# KiCad board AFS-K5171.kicad_pcb (continued)
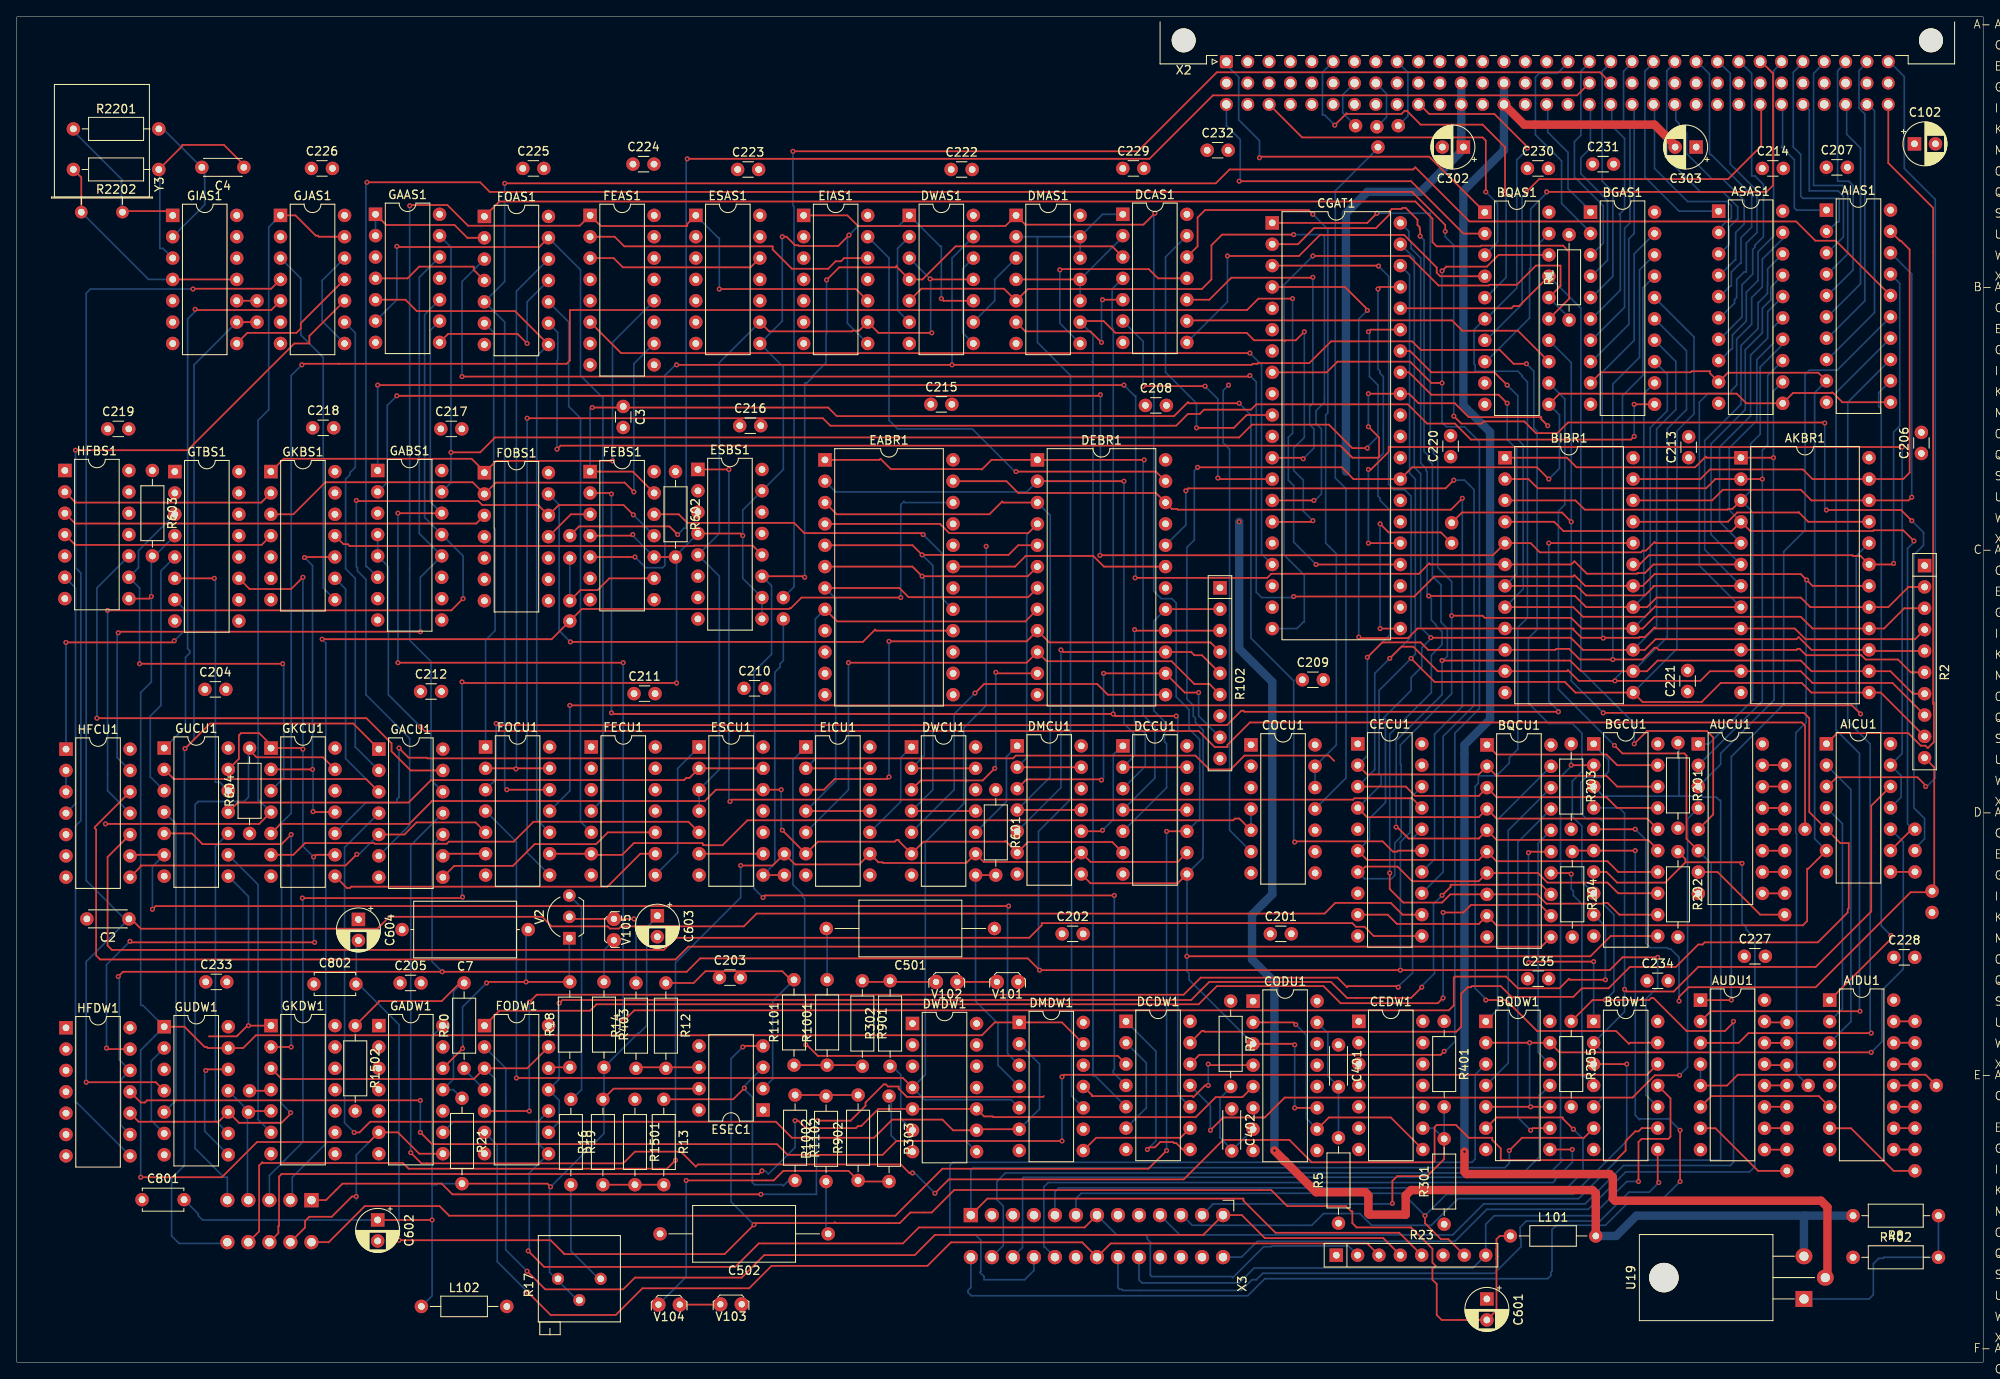
[diagram p0: board, top side]
## Routing (per net, layer and track width the routed paths; a pad name or vN(x,y) marks a point on that pad's centre or on a via; arc(x,y) is an arc through that point) (continued)
/Seite 2/1.02: length 220.1
  Top w0.2: CECU1.2 160.62,69.92 173.92,69.92 BQCU1.2 176.03,69.75 189.1,69.75 190.38,68.48 BGCU1.18 ; v1(160.66,83.85) 162.43,85.63 167,85.63 167.89,84.74 BIBR1.10 183.01,84.74 183.13,84.87 184.66,84.87 185.93,83.6 v1(189.87,83.6) 193.42,83.6 194.82,84.99 195.07,84.99 195.33,84.74 AKBR1.10 211.71,84.74 211.84,84.87 212.09,84.87 212.85,84.1 219.42,84.1 219.93,83.6 223.77,83.6 225.3,82.07 R2.6 ; CGAT1.37 162.17,127.91 v1(161.93,127.67)
  Bottom w0.2: CECU1.2 160.66,72.15 v1(160.66,83.85) 163.32,86.52 163.32,101.38 162.18,102.52 162.18,102.77 161.93,103.03 161.93,107.47 162.56,108.11 162.56,117.25 162.18,117.63 162.18,117.89 161.93,118.14 v1(161.93,127.67) 162.05,127.79 ; BGAS1.18 193.04,129.95 193.04,119.54 189.87,116.36 v1(189.87,83.6) 189.74,83.47
/Seite 2/1.03: length 236
  Top w0.2: CGAT1.3 161.93,130.45 v1(161.99,130.4) ; R2.8 223.13,80.8 213.61,80.8 212.22,82.2 AKBR1.11 201.42,82.2 200.28,81.06 v1(190.12,81.06) 185.8,81.06 184.53,82.33 184.4,82.2 BIBR1.11 169.04,82.2 166.12,85.12 164.72,85.12 v1(163.32,83.72) ; CECU1.3 165.23,68.48 166.33,67.38 173.92,67.38 BQCU1.3 176.03,67.21 189.1,67.21 190.38,65.94 BGCU1.17
  Bottom w0.2: CECU1.3 161.54,70.5 161.54,81.95 v1(163.32,83.72) 165.86,86.26 165.86,103.03 165.1,103.79 163.83,103.79 163.19,104.42 163.19,129.19 v1(161.99,130.4) 161.93,130.46 ; BGAS1.17 193.44,127.81 193.44,117.4 191.01,114.97 191.01,82.2 189.87,81.06
/Seite 2/1.04: length 224.7
  Top w0.2: CECU1.4 160.62,64.84 173.92,64.84 BQCU1.4 176.03,64.67 193.93,64.67 BGCU1.16 ; R2.9 221.74,79.66 AKBR1.13 213.49,79.66 212.34,80.8 202.69,80.8 200.43,78.54 193.4,78.54 BIBR1.13 185.42,79.66 184.15,80.93 168.66,80.93 v1(165.86,83.72) 165.74,83.72
  Bottom w0.2: CECU1.4 162.31,68.72 162.31,69.75 162.05,70.01 162.05,79.91 166.37,84.23 166.37,105.06 165.69,105.74 165.69,129.35 CGAT1.38 ; BIBR1.13 197.49,84.87 197.49,110.77 199.52,112.81 199.52,121.97 BGAS1.16
/Seite 2/1.05: length 235.5
  Top w0.2: CGAT1.2 152.39,132.99 154.31,134.9 161.67,134.9 163.32,136.56 163.32,136.94 163.58,137.19 164.72,137.19 164.85,137.32 165.23,137.32 166.62,135.92 166.62,135.29 166.88,135.03 166.88,134.8 166.94,134.74 v1(166.94,133.95) ; v1(169.55,83.47) 184.79,83.47 186.06,82.2 BIBR1.14 193.93,82.2 195.2,83.47 212.22,83.47 213.49,82.2 AKBR1.14 222.88,82.2 225.56,79.53 R2.7 ; 164.21,63.66 165.57,62.3 173.92,62.3 BQCU1.5 176.03,62.13 194.06,62.13 195.21,60.98 BGCU1.15
  Bottom w0.2: BGAS1.15 198.63,120.31 198.63,113.31 196.34,111.03 196.34,86.26 BIBR1.14 ; v1(164.08,63.66) 164.08,73.94 169.55,79.41 v1(169.55,83.47) 169.67,83.47 170.18,83.98 170.18,87.28 169.42,88.04 169.42,92.49 168.4,93.5 168.4,106.84 167.89,107.35 167.89,107.85 167.41,108.34 167.41,133.49 v1(166.94,133.95) 166.88,134.02
/Seite 2/1.06: length 215.7
  Top w0.2: v1(168.21,86.2) 168.23,86.18 184.87,86.18 186.31,84.74 BIBR1.15 193.68,84.74 194.94,86.01 211.71,86.01 211.96,86.26 213.49,84.74 AKBR1.15 220.48,84.61 R2.5 ; BGCU1.14 190.5,58.32 189.23,59.59 176.03,59.59 BQCU1.6 173.92,59.76 160.62,59.76 CECU1.6
  Bottom w0.2: BIBR1.15 195.07,87.53 195.07,111.03 197.36,113.31 197.36,119.04 BGAS1.14 ; 162.62,76.67 162.56,76.61 ; 162.62,76.67 165.86,79.91 165.86,81.44 167.13,82.71 167.13,84.99 168.27,86.14 v1(168.21,86.2) 167,87.41 167,105.69 166.24,106.46 166.24,131.34 CGAT1.39 ; 162.62,76.67 162.81,76.48 162.81,66.58 160.91,64.67 160.91,62.25 CECU1.6
/Seite 2/1.07: length 238.1
  Top w0.2: CGAT1.1 160.65,135.53 v1(161.8,136.68) ; v1(170.69,88.8) 174.37,88.8 174.62,88.55 184.91,88.55 186.18,87.28 BIBR1.16 193.42,87.28 194.82,88.68 212.22,88.68 213.61,87.28 AKBR1.16 222.12,87.28 224.53,89.69 R2.3 ; BGCU1.13 190.5,55.78 189.23,57.05 182.09,57.05 180.95,58.19 BQCU1.7 173.92,57.22 165.99,57.22 164.25,58.96 160.4,58.96 159.76,58.32 CECU1.7
  Bottom w0.2: v1(161.8,136.68) 168.15,136.68 168.15,108.74 168.53,108.36 168.53,108.11 169.04,107.6 169.04,94.52 170.69,92.87 v1(170.69,88.8) 170.69,79.53 164.59,73.44 164.59,71.15 164.68,71.06 164.68,62.54 163.92,61.78 163.92,57.91 163.53,57.52 160.32,57.52 CECU1.7 ; BGAS1.13 196.34,117.52 196.34,113.19 194.31,111.16 194.31,89.31 BIBR1.16
/Seite 2/1.08: length 207.1
  Top w0.2: v1(163.32,58.2) 163.32,56.29 164.94,54.68 169.54,54.68 170.52,55.65 BQCU1.8 180.85,55.65 181.95,54.55 188.76,54.55 188.85,54.64 189.23,54.64 190.63,53.24 BGCU1.12 ; R2.2 225.04,92.23 222.63,89.82 AKBR1.17 213.36,89.82 212.22,90.96 195.07,90.96 193.93,89.82 BIBR1.17 186.69,89.82 185.36,91.15 v1(167.96,91.15)
  Bottom w0.2: BGAS1.12 193.55,115.21 193.55,91.09 BIBR1.17 ; CGAT1.40 165.61,134.51 165.61,133.51 165.86,133.25 165.86,132.49 167,131.35 167,106.96 167.64,106.33 167.64,106.08 167.77,105.95 167.77,91.34 v1(167.96,91.15) 168.27,90.84 168.27,88.3 168.78,87.79 168.78,87.66 169.55,86.9 169.55,85.37 168.27,84.1 168.27,79.66 163.32,74.71 v1(163.32,58.2)
/Seite 2/2.01: length 124.2
  Top w0.2: BIBR1.8 185.17,89.82 186.31,88.68 193.68,88.68 194.94,89.95 195.07,89.82 AKBR1.8 ; v1(177.29,116.24) 175.77,117.76 168.27,117.76 165.74,120.29 CGAT1.34
  Bottom w0.2: 177.17,116.36 v1(177.29,116.24) 178.56,114.97 178.56,109.76 179.2,109.12 179.2,91.98 BIBR1.8 ; AKBR1.8 200.15,94.77 200.15,114.2 201.17,115.22 203.96,115.22 203.96,115.6 204.6,116.24 204.6,121.7 206.38,123.47 206.38,126.65 207.64,127.92 207.64,131.22 210.07,133.64 ASAS1.19
/Seite 2/2.02: length 111.5
  Top w0.2: AKBR1.7 194.69,92.36 194.69,92.23 193.68,91.22 186.69,91.22 185.55,92.36 BIBR1.7 ; v1(177.29,114.08) 176.28,115.09 168.27,115.09 165.61,117.75 CGAT1.33
  Bottom w0.2: AKBR1.7 200.79,96.68 200.79,109.63 205.11,113.95 205.11,120.93 207.14,122.97 207.14,126.01 208.26,127.14 208.26,128.15 208.28,128.17 208.28,130.06 ASAS1.18 ; 177.29,114.33 v1(177.29,114.08) 177.29,109.76 178.44,108.62 178.44,93.76 BIBR1.7
/Seite 2/2.03: length 236.1
  Top w0.2: v1(133.03,93.31) 148.75,93.31 149.23,93.79 166.79,93.79 168.02,95.03 168.15,94.9 BIBR1.6 184.91,94.9 185.29,95.28 186.77,93.8 192.73,93.8 192.82,93.88 193.68,93.88 194.69,94.9 AKBR1.6 ; v1(42.93,116.24) v1(131.7,116.24)
  Bottom w0.2: ASAS1.17 208.66,127.9 208.66,126.4 207.64,125.38 207.64,122.46 205.61,120.43 205.61,113.31 201.55,109.25 201.55,98.46 AKBR1.6 ; v1(131.7,116.24) 132.97,114.97 133.1,114.97 133.1,93.38 v1(133.03,93.31) 132.97,93.25 ; GABS1.1 v1(42.93,116.24)
/Seite 2/2.04: length 226.9
  Top w0.2: v1(128.91,115.09) 128.78,114.97 v1(45.21,114.97) ; v1(128.84,95.98) 128.86,95.99 175.59,95.99 BIBR1.5 180.09,97.44 181.19,96.34 193.21,96.34 193.42,96.55 193.8,96.55 194.82,97.57 194.94,97.44 AKBR1.5
  Bottom w0.2: 128.78,95.92 v1(128.84,95.98) 128.91,96.04 v1(128.91,115.09) ; AKBR1.5 202.56,99.98 202.56,108.87 206.25,112.55 206.25,119.79 208.28,121.82 208.28,124.98 ASAS1.16 ; GABS1.2 44.07,104.68 44.07,113.82 v1(45.21,114.97) 45.34,115.09
/Seite 2/2.05: length 116.8
  Top w0.2: 225.81,97.57 v1(225.68,97.69) 224.41,98.96 220.88,98.96 220.8,98.88 206.2,98.88 AKBR1.4 204,98.88 183.98,98.88 182.88,99.98 BIBR1.4 ; AICU1.9 225.56,63.53 225.68,63.53
  Bottom w0.2: AKBR1.4 203.71,101.38 203.71,108.74 206.99,112.03 206.99,119.26 208.91,121.19 208.91,123.08 ASAS1.15 ; 225.56,63.53 225.43,63.53 224.92,64.04 224.92,96.8 225.68,97.57
/Seite 2/2.06: length 83.2
  Top w0.2: BIBR1.3 185.42,102.52 186.52,101.42 203.5,101.42 203.58,101.5 204.09,101.5 AKBR1.3
  Bottom w0.2: AUCU1.1 201.28,73.55 206.5,78.77 206.5,101.12 AKBR1.3 206.25,103.66 206.25,109.25 207.39,110.39 207.39,118.39 210.07,121.07 210.07,121.69
/Seite 2/2.07: length 83.8
  Top w0.2: v1(207.64,105.06) AKBR1.2 202.06,105.06 200.96,103.96 180.93,103.96 179.83,105.06 BIBR1.2
  Bottom w0.2: AUCU1.2 207.64,78.62 v1(207.64,105.06) 207.64,108.49 208.28,109.12 208.28,117.36 ASAS1.13
/Seite 2/2.08: length 85.3
  Top w0.2: BIBR1.1 184.4,107.6 185.55,106.46 199.64,106.46 200.91,107.73 201.04,107.6 AKBR1.1 v1(208.97,107.6)
  Bottom w0.2: ASAS1.12 208.97,115.51 v1(208.97,107.6) 208.97,80.88 209.04,80.8 209.04,78.77 202.69,72.42 202.69,71.13 AUCU1.3
/Seite 2/2.09: length 63.9
  Top w0.2: BIBR1.23 200.28,105.06 201.42,106.2 212.47,106.2 213.61,105.06 AKBR1.23 224.41,105.06 225.17,105.82 225.17,132.36 224.12,133.42 224,133.42 AIAS1.19
/Seite 2/2.10: length 64.7
  Top w0.2: BIBR1.22 201.68,102.52 202.95,103.79 212.22,103.79 213.49,102.52 AKBR1.22 225.04,102.52 v1(225.43,102.9)
  Bottom w0.2: AIAS1.18 225.43,129.45 v1(225.43,102.9) 225.43,102.65
/Seite 2/2.11: length 67.1
  Top w0.2: v1(223.27,95.03) 223.14,94.9 AKBR1.19 219.33,95.92 218.44,95.92 218.36,96 194.14,96 193.04,94.9 BIBR1.19
  Bottom w0.2: AIAS1.17 224,128.34 224,111.38 223.27,110.65 v1(223.27,95.03)
/Seite 2/2.12: length 251.4
  Top w0.2: v1(58.04,140.24) 142.62,140.24 144.27,141.89 166.12,141.89 166.37,142.14 172.81,135.7 211.67,135.7 213.96,133.42 216.38,133.42 AIAS1.16 ; v1(58.29,68.1) 58.3,68.11 FOCU1.12
  Bottom w0.2: 58.04,140.37 v1(58.04,140.24) 58.04,128.55 FOAS1.5 58.04,123.73 58.04,68.36 v1(58.29,68.1)
/Seite 2/2.13: length 94.9
  Top w0.2: v1(203.96,43.08) 203.95,43.07 AUDU1.1
  Bottom w0.2: 203.83,42.96 v1(203.96,43.08) 203.96,72.04 210.19,78.26 210.19,96.42 212.72,98.96 212.72,117.51 213.23,118.01 216.55,118.01 AIAS1.15
/Seite 2/2.14: length 103.5
  Top w0.2: v1(219.27,41.75) 201.51,41.75 AUDU1.2
  Bottom w0.2: AIAS1.14 216.41,115.33 216.41,75.21 219.2,72.42 219.2,41.81 v1(219.27,41.75) 219.33,41.69
/Seite 2/2.15: length 104.2
  Top w0.2: AUDU1.3 204.84,37.99 205.99,39.15 v1(220.6,39.15)
  Bottom w0.2: AIAS1.13 217.81,114.19 217.81,76.23 220.47,73.56 220.47,39.27 v1(220.6,39.15)
/Seite 2/2.16: length 78.1
  Top w0.2: v1(222.95,50.77) 222.95,50.36 AIDU1.1
  Bottom w0.2: 223.14,50.58 v1(222.95,50.77) 221.8,51.92 221.8,113.39 221.49,113.7 221.49,115.33 AIAS1.12
/Seite 2/2.17: length 26.8
  Bottom w0.2: AIDU1.2 217.17,42.04 217.17,64.05 AICU1.4
/Seite 2/2.18: length 35.3
  Bottom w0.2: AICU1.2 218.19,68.12 218.19,40.52 AIDU1.3
/Seite 2/3.07: length 81.4
  Top w0.2: 226.95,71.91 228.09,70.76 228.09,55.91 225.3,55.91 214,44.61 198.88,44.61 197.74,43.46 v1(197.74,42.96) ; v1(192.53,63.4) 192.53,63.4 BGCU1.5
  Bottom w0.2: v1(192.53,63.4) 193.8,62.13 193.8,49.81 194.31,49.31 196.34,49.31 196.47,49.18 196.72,49.18 197.74,48.16 v1(197.74,42.96)
/Seite 2/4.01: length 106.3
  Top w0.2: v1(146.69,120.05) 71.88,120.05 FEAS1.6
  Bottom w0.2: v1(146.69,120.05) 148.08,118.65 148.08,96.16 CGAT1.17
/Seite 2/4.08: length 165.2
  Top w0.2: v1(145.42,114.08) 139.45,114.08 139.32,114.2 137.67,112.55 97.54,112.55 96.52,113.57 v1(68.45,113.57) 68.33,113.57 ; FEBS1.1 73.28,105.95 FEBS1.13 ; CECU1.15 164.33,60.86 164.21,60.74 163.7,60.74 162.48,61.96 152.1,61.96 v1(152.02,61.88)
  Bottom w0.2: v1(145.42,114.08) 146.81,112.68 146.81,86.14 151.89,81.06 151.89,62.01 v1(152.02,61.88) ; FEBS1.1 68.2,113.44 68.33,113.57
/Seite 2/4.09: length 109
  Top w0.2: EABR1.23 117.73,104.81 119.13,103.41 135.51,103.41 DEBR1.22 137.41,101.5 138.05,101.5 138.14,101.41 170.6,101.41 v1(171.96,102.77)
  Bottom w0.2: CECU1.14 168.66,59.83 168.66,74.71 171.96,78.01 v1(171.96,102.77)
/Seite 2/4.10: length 93.5
  Top w0.2: v1(139.06,103.66) 139.36,103.95 169.96,103.95 v1(170.94,104.93)
  Bottom w0.2: CECU1.13 169.67,58.31 169.67,74.45 173.36,78.14 173.36,103.79 172.21,104.93 v1(170.94,104.93) 170.81,104.93 ; DEBR1.20 139.06,99.6 v1(139.06,103.66)
/Seite 2/5.01: length 53.9
  Top w0.2: EABR1.8 97.58,88.13 119.97,88.13 DEBR1.8 ; EICU1.2 EICU1.13
  Bottom w0.2: EICU1.2 95,71.78 95,88.42 EABR1.8
/Seite 2/5.02: length 62.3
  Top w0.2: DEBR1.7 120.31,91.01 106.09,91.01 104.99,92.11 EABR1.7 ; EICU1.4 EICU1.11
  Bottom w0.2: EABR1.7 97.41,90.84 97.41,69.11 EICU1.4
/Seite 2/5.03: length 57.4
  Top w0.2: EABR1.6 106.55,94.65 v1(107.7,93.5) 120.27,93.5 DEBR1.6 ; DWCU1.2 DWCU1.13
  Bottom w0.2: v1(107.7,93.5) 107.95,93.25 107.95,72.16 DWCU1.2
/Seite 2/5.04: length 66.1
  Top w0.2: DWCU1.4 DWCU1.11 ; EABR1.5 106.55,97.19 v1(107.7,96.04) 117.98,96.04 119.13,97.19 DEBR1.5
  Bottom w0.2: 107.57,96.17 v1(107.7,96.04) 108.97,94.77 108.97,68.1 DWCU1.4
/Seite 2/5.05: length 63.8
  Top w0.2: DEBR1.4 120.31,98.63 110.92,98.63 109.82,99.73 EABR1.4 ; DMCU1.2 DMCU1.13
  Bottom w0.2: DEBR1.4 120.14,98.46 120.14,71.91 DMCU1.2
/Seite 2/5.06: length 73
  Top w0.2: DMCU1.11 DMCU1.4 ; DEBR1.3 117.35,102.27 117.22,102.39 115.7,100.87 97.54,100.87 EABR1.3
  Bottom w0.2: DEBR1.3 122.94,100.74 122.94,69.62 DMCU1.4
/Seite 2/5.07: length 79.5
  Top w0.2: v1(131.7,104.81) DEBR1.2 ; DCCU1.2 DCCU1.13
  Bottom w0.2: EABR1.2 97.41,103.54 120.14,103.54 DEBR1.2 ; DCCU1.2 132.97,72.16 132.97,74.71 131.7,75.98 v1(131.7,104.81) 131.57,104.93
/Seite 2/5.08: length 90.5
  Top w0.2: DCCU1.4 DCCU1.11 ; v1(134.11,107.35) DEBR1.1 115.95,107.35 114.81,106.2 114.77,106.25 103.97,106.25 102.74,107.47 102.62,107.35 EABR1.1
  Bottom w0.2: DCCU1.4 135.38,69.49 135.38,75.6 133.99,76.99 133.99,107.22 v1(134.11,107.35)
/Seite 2/6.01: length 67.8
  Top w0.2: R102.4 142,85.63 122.81,85.63 DEBR1.9 120.14,85.76 v1(103.76,85.76) ; v1(103.76,69.63) 103.51,69.37 97.28,69.37 96.02,68.11 EICU1.3
  Bottom w0.2: v1(103.76,69.63) v1(103.76,85.76) 103.89,85.88
/Seite 2/6.02: length 69.1
  Top w0.2: R102.6 141.87,80.68 140.08,80.68 137.37,83.39 122.51,83.39 DEBR1.10 120.14,83.22 v1(98.93,83.22)
  Bottom w0.2: EICU1.5 98.93,68.1 v1(98.93,83.22)
/Seite 2/6.03: length 51.2
  Top w0.2: v1(116.46,82.07) 116.59,81.95 DEBR1.11 ; v1(116.33,70.64) 114.9,69.21 107.54,69.21 DWCU1.3
  In2.Cu w0.2: DEBR1.11 122.51,80.85 138.13,80.85 142.1,76.88 R102.7
  Bottom w0.2: v1(116.46,82.07) 116.46,70.77 v1(116.33,70.64)
/Seite 2/6.04: length 53.7
  Top w0.2: DEBR1.13 129.79,79.41 128.52,80.68 115.06,80.68 v1(113.98,79.6)
  In2.Cu w0.2: DEBR1.13 141.1,74.96 141.1,73.82 141.11,73.82 R102.9
  Bottom w0.2: DWCU1.5 111.51,68.1 111.51,77.12 v1(113.98,79.6) 114.05,79.66
/Seite 2/6.05: length 42.1
  Top w0.2: DMCU1.3 120.11,69.33 128.94,69.33 v1(129.03,69.25) ; 129.16,82.07 v1(129.29,81.95) DEBR1.14 138.94,79.66 v1(140.59,79.66)
  Bottom w0.2: R102.8 140.59,76.88 v1(140.59,79.66) ; v1(129.03,69.25) 129.29,69.5 v1(129.29,81.95)
/Seite 2/6.06: length 43.8
  Top w0.2: v1(124.21,84.74) 124.46,84.49 DEBR1.15 139.7,84.49 140.08,84.1 140.99,84.1 R102.5
  Bottom w0.2: DMCU1.5 124.21,68.35 v1(124.21,84.74)
/Seite 2/6.07: length 30.9
  Top w0.2: v1(132.97,87.15) 133.1,87.03 DEBR1.16 143.11,87.03 R102.3
  Bottom w0.2: 132.97,87.28 v1(132.97,87.15) 132.97,76.1 134.24,74.83 134.24,70.89 DCCU1.3
/Seite 2/6.08: length 36.3
  Top w0.2: DEBR1.17 136.67,89.58 R102.2
  Bottom w0.2: DEBR1.17 135.25,88.17 135.25,77.5 136.52,76.23 136.52,73.82 136.78,73.56 136.78,68.35 DCCU1.5
/Seite 3/7.06: length 16.7
  Top w0.2: GKDW1.5 27.55,29.88 27.43,30
  Bottom w0.2: 27.69,19.46 27.43,19.72 27.43,30.02 25.16,32.29
/Seite 3/7.07: length 72.6
  Top w0.2: 27.56,72.93 28.53,71.96 36.42,71.96 GKCU1.13
  Bottom w0.2: X4.b1 25.05,21.97 25.02,22 24.64,22 21.21,25.43 21.21,66.32 21.59,66.71 27.05,66.71 27.56,67.21 27.56,72.93
/Seite 3/7.08: length 132.3
  Top w0.2: v1(88.65,22.76) 88.27,22.38 31.5,22.38 31.2,22.08 31.2,16.24 31.12,16.16 31.12,15.35 X4.a3 ; CODU1.5 145.8,31.53 142.62,31.53 140.25,29.16 116.16,29.16 116.08,29.24 115.06,29.24 DWDW1.10 DWDW1.5 102.49,30.13 100.46,28.1 100.08,28.1 99.82,27.84 93.85,27.84 92.96,28.73 v1(92.58,28.73)
  Bottom w0.2: v1(92.58,28.73) 92.58,25.56 89.41,22.38 89.03,22.76 v1(88.65,22.76)
/Seite 3/7.09: length 100.1
  Top w0.2: 88.65,20.1 v1(88.52,19.97) 51.82,19.97 50.55,21.24 38.73,21.24 36.78,19.28 X4.b5 ; v1(95.25,28.73) 99.19,28.73 100.96,30.51 100.96,30.89 103.12,33.05 103.38,33.05 103.63,32.8 104.9,32.8 104.9,32.54 105.88,31.57 122.09,31.57 122.17,31.65
  Bottom w0.2: v1(88.52,19.97) 95.12,19.97 95.12,28.61 v1(95.25,28.73)
/Seite 3/7.11: length 162.9
  Top w0.2: DWDW1.4 105.41,33.81 v1(59.44,33.81)
  Bottom w0.2: DMDW1.5 118.28,31.23 107.99,31.23 DWDW1.4 108.08,34.19 108.08,61.88 112.65,66.45 112.65,75.47 115.32,78.14 v1(115.32,97.06) 115.44,97.19 ; 59.44,33.69 v1(59.44,33.81) 59.44,61.89 FOCU1.4
B: length 26.3
  Top w0.2: EABR1.19 118.74,94.65 120.02,95.92 128.06,95.92 129.33,94.65 DEBR1.19
BC: length 84.8
  Top w0.2: v1(40.39,102.52) 40.47,102.44 54.91,102.44 55.37,101.97 62.02,101.97 FOBS1.12 64.47,101.97 72.18,101.97 v1(73.34,100.8)
  Bottom w0.2: FEBS1.11 v1(73.34,100.8) 73.28,100.87 73.28,101 ; GACU1.6 46.74,63.91 46.74,74.2 41.53,79.41 41.53,93.12 40.51,94.14 40.51,94.52 40.39,94.65 v1(40.39,102.52)
C: length 211.8
  Top w1: 197.49,144.56 194.82,147.22 179.32,147.22 X2.c14 ; U19.3 215.39,10.32 215.39,18.45 214.63,19.21 190.12,19.21 189.87,19.46 189.87,22 189.48,22.38 172.47,22.38 172.21,22.64 v1(172.21,25.05)
  Bottom w1: 172.21,24.92 v1(172.21,25.05) 172.21,73.44 175.26,76.48 175.26,110.65 172.08,113.82 172.08,139.35 176.91,144.18 X2.b14
CLK: length 187.3
  Top w0.2: X4.a2 28.83,15.56 28.83,23.4 29.21,23.78 29.29,23.7 45.93,23.7 46.61,23.02 77.34,23.02 v1(78.36,24.03) ; DCCU1.9 138.1,59.51 127.73,59.51 DMCU1.9 125.53,59.51 115.03,59.51 DWCU1.9 112.96,59.39 103.08,59.39 103,59.47 102.5,59.47 EICU1.9 100.21,59.21 92.58,59.21 X10-12.1 89.92,59.09 v1(86.11,59.09)
  Bottom w0.2: v1(78.36,24.03) 78.36,47.53 86.11,55.28 v1(86.11,59.09) 86.11,59.21 ; DMDW1.10 125.48,31.65 125.48,59.46 DMCU1.9
CLO: length 155.4
  Top w0.2: X2.b19 188.33,153.45 142.75,153.45 133.35,144.05 v1(92.33,144.05)
  Bottom w0.2: X10-10.1 92.46,92.23 92.46,137.49 92.33,137.61 v1(92.33,144.05)
CT: length 100.3
  Top w0.2: v1(108.65,128.87) 108.71,128.81 DWAS1.11 ; v1(108.84,122.46) 102.49,122.46 EIAS1.9 100.2,122.71 99.44,122.71 99.36,122.63 89.49,122.63 ESAS1.9
  Bottom w0.2: v1(108.84,122.46) 108.71,122.59 108.71,128.81 v1(108.65,128.87) DWAS1.3 ; ESCU1.4 ESCU1.3 83.57,70.51 83.57,93.5 ESBS1.5 83.57,98.58 83.57,118.9 ESAS1.9
D: length 55.8
  Bottom w1: X2.b12 171.83,144.81 C302.1 172.08,144.3 167,139.22 160.66,139.22 158.12,136.68 158.12,105.95
E: length 165.6
  Top w1: 150.88,23.91 150.75,23.91 ; 150.88,23.91 v1(149.61,25.18) ; 150.88,23.91 154.56,20.22 160.4,20.22 160.78,19.84 160.78,17.68 160.91,17.56 165.23,17.56 165.23,19.84 165.86,20.48 187.45,20.48 187.83,20.1 L101.2
  Bottom w1: v1(145.42,99.98) 145.42,84.87 149.35,80.93 149.35,55.66 146.94,53.24 146.94,47.91 149.61,45.24 v1(149.61,25.18) ; L101.2 190.25,15.02 192.66,17.43 212.72,17.43 ; 212.72,17.43 212.6,17.3 U19.2 ; 212.72,17.43 R8.2
ESE: length 90.5
  Top w0.2: v1(191.26,44.35) 191.52,44.1 197.1,44.1 200.02,47.02 214,47.02 220.6,53.62 220.6,66.19 AICU1.12
  Bottom w0.2: BGCU1.4 190.63,65.94 191.26,65.31 v1(191.26,44.35) 191.26,41.69 187.58,38 188.68,36.9 188.68,31.48 187.58,30.38
F: length 144.5
  Top w0.2: R16.2 70.99,32.54 ESEC1.7 ; v1(49.4,16.92) C602.1 ; R21.2 63.12,21.24 v1(63.5,20.86)
  Bottom w0.2: 49.4,20.99 49.4,21.11 49.91,21.11 50.04,21.24 R21.2 ; 49.4,20.99 49.4,38.76 GADW1.14 ; 49.4,20.99 v1(49.4,16.92) 49.4,7.9 L102.1 ; 67.31,6.76 63.37,10.7 63.37,20.73 v1(63.5,20.86) 69.85,27.21 R403.2 73.91,39.15 74.04,39.15 74.93,40.04 74.93,51.72 76.07,52.86 ; C602.1 22.1,16.92 21.59,17.43 21.59,17.64 C801.2
G: length 221.7
  Top w0.2: v1(45.47,14.51) 63.5,14.51 65.15,12.86 84.2,12.86 v1(87.69,16.35) 87.88,16.54 97.41,16.54 ; 176.02,13.49 176.02,6.17 C601.2 169.5,5.02 168.91,5.62 168.91,9.3 168.4,9.81 168.4,11.08 168.78,11.46 168.4,11.84 168.4,13.49 165.86,16.03 159.38,16.03 158.88,16.54 158.88,17.94 158.75,17.94 158.12,18.57 151.13,18.57 149.23,20.48 111.51,20.48 108.84,17.81 106.3,17.81 105.03,16.54 97.41,16.54 ; 176.02,13.49 176.02,12.73 176.15,12.6 176.02,12.48 176.02,12.22 ; 176.02,13.49 176.02,14.64 176.4,15.02 L101.1 ; 97.41,16.54 97.28,16.67 ; v1(86.36,37.5) 86.49,37.62 ESEC1.4
  Bottom w0.2: 40.51,50.2 40.39,50.07 40.39,45.24 45.47,40.16 v1(45.47,14.51) ; v1(87.69,16.35) 84.96,19.08 84.96,36.1 v1(86.36,37.5)
H1: length 285.6
  Top w0.2: DWCU1.8 114.06,57.94 R601.2 ; v1(140.46,106.46) 157.61,106.46 159.01,105.05 CGAT1.28 165.99,106.46 180.85,106.46 v1(182.25,105.06) 182.37,104.93 ; BGCU1.11 189.61,50.7 187.2,48.29 v1(139.2,48.29) ; CODU1.3 151.89,37.88 v1(152.02,37.75) ; BQAS1.11 183.53,115.22 204.6,115.22 205.75,114.07 ASAS1.11 211.3,115.3 215.82,115.3 215.87,115.35 216.03,115.35 217.18,114.2 AIAS1.11 ; DCCU1.8 138.1,56.97 127.73,56.97 DMCU1.8 ; CODU1.11 v1(152.02,30.26)
  Bottom w0.2: v1(140.46,106.46) 140.08,106.08 140.08,97.82 139.19,96.93 139.19,78.9 139.95,78.14 139.95,76.87 140.21,76.61 140.21,76.1 141.12,75.2 141.12,61.14 141.1,61.12 141.1,59.97 DCCU1.8 v1(139.2,48.29) 139.2,46.5 139.45,46.26 139.45,45.5 CODU1.3 ; v1(152.02,30.26) v1(152.02,37.75) ; v1(182.25,105.06) 183.51,106.33 183.51,112.68 BQAS1.11 ; DWCU1.8 114.06,42.95 116.71,40.29 116.71,35.34 DMDW1.4
H2: length 241.5
  Top w0.2: ESBS1.4 86.11,98.58 v1(86.36,98.33) ; v1(109.98,126.52) 110.24,126.27 DWAS1.10 ; v1(91.06,133.89) 91.57,133.89 92.58,132.87 92.96,132.87 93.05,132.79 97.71,132.79 v1(99,134.08) ; v1(78.49,80.8) 53.09,80.8 v1(52.96,80.93) ; v1(73.28,98.46) 73.15,98.33 FEBS1.4 ; 78.49,95.79 FEBS1.10 ; v1(33.97,55.21) 52.9,55.21 v1(53.02,55.34)
  Bottom w0.2: v1(52.96,80.93) 52.96,55.4 v1(53.02,55.34) 53.09,55.28 ; X4.b3 30.05,22.2 34.04,26.19 34.04,55.15 v1(33.97,55.21) 33.91,55.28 ; 78.49,80.55 v1(78.49,80.8) 78.49,96.04 ESBS1.4 ; EIAS1.8 98.81,123.6 98.81,133.89 v1(99,134.08) 100.08,135.16 104.9,135.16 DWAS1.1 109.86,132.75 109.98,132.75 v1(109.98,126.52) 110.11,126.4 ; v1(91.06,133.89) 91.06,123.86 ESAS1.8 91.19,118.39 91.19,106.2 ESBS1.15 86.36,101.38 v1(86.36,98.33) 86.36,93.25 ESBS1.10 ESBS1.9 ; FEBS1.10 73.28,98.33 v1(73.28,98.46)
H3: length 360.8
  Top w0.2: GJAS1.13 35.94,133.89 35.81,134.02 35.56,134.02 33.15,136.43 GJAS1.1 ; v1(10.54,64.04) 28.83,64.04 GKCU1.4 ; v1(40.39,19.72) 39.88,19.72 37.47,17.3 34.8,17.3 34.29,16.79 34.29,16.02 X4.a4 ; HFBS1.8 15.75,90.84 v1(16,91.09) ; v1(14.73,22) 24.38,22 28.58,26.19 41.92,26.19 GADW1.6 45.33,27.34 47.87,24.8 GADW1.8 ; DMDW1.13 124.33,40.42 DMDW1.1 116.33,40.42 114.81,38.89 28.45,38.89 26.93,37.37 GUDW1.13 22.73,37.37 22.61,37.5 22.35,37.5 19.93,39.91 GUDW1.1
  Bottom w0.2: 40.39,19.33 v1(40.39,19.72) 40.39,24.66 GADW1.6 ; 14.73,64.04 14.73,79.66 16,80.93 v1(16,91.09) 16,95.53 GTBS1.4 ; 14.73,64.04 v1(10.54,64.04) ; 14.73,64.04 14.73,42.45 15,42.45 GUDW1.1 16.44,38.81 16.43,38.81 14.73,37.11 v1(14.73,22) ; GKCU1.4 28.84,66.83 28.7,66.83 28.7,112.04 29.97,113.31 29.97,135.03 GJAS1.1
LCK: length 28.9
  Top w0.2: BQCU1.14 184.79,58.19 v1(184.91,58.07)
  Bottom w0.2: BGDW1.4 186.44,34.07 186.18,34.07 186.18,54.51 185.17,55.53 185.17,56.04 184.91,56.29 v1(184.91,58.07)
LF: length 279.6
  Top w0.2: v1(33.91,118.65) 34.04,118.78 38.35,118.78 ; v1(154.56,94.9) 154.56,94.89 CGAT1.24 ; HFDW1.10 14.49,28.61 24.01,28.61 GUDW1.10 26.43,28.48 31.5,28.48 32.58,29.56 v1(32.58,29.68) ; 38.35,118.78 65.41,118.78 65.79,119.16 65.79,125.13 65.83,125.17 146.35,125.17 147.7,126.52 v1(151.76,126.52) ; 38.35,118.78 38.23,118.78
  Bottom w0.2: 32.64,29.62 v1(32.58,29.68) 31.5,30.76 31.5,64.17 32.64,65.31 32.64,117.38 v1(33.91,118.65) ; v1(154.56,94.9) 151.89,97.57 151.89,104.3 151.26,104.93 151.26,110.01 151.76,110.52 v1(151.76,126.52)
M0: length 30.8
  Top w0.2: BQCU1.15 179.95,60.73 v1(179.83,60.61) ; v1(179.83,47.53) 179.96,47.66 v1(187.58,47.66)
  Bottom w0.2: BGDW1.1 v1(187.58,47.66) ; 179.83,60.74 v1(179.83,60.61) v1(179.83,47.53)
NIR?: length 113.3
  Top w0.2: 49.32,66.75 49.4,66.75 ; 49.4,66.75 81.84,66.75 83.19,68.11 ESCU1.12 90.93,68.11 v1(90.93,68.1) ; 49.4,66.75 46.69,64.04 31.37,64.04 GKCU1.5 ; 91.06,63.4 91.06,63.29 v1(91.07,63.28) EICU1.6 95.3,61.93 104.44,61.93 104.65,62.13 104.9,62.13 104.9,62.02 DWCU1.6 107.88,61.93 117.52,61.93 117.6,62.01 117.62,62.01 DMCU1.6 120.27,61.88 130.32,61.88 DCCU1.6
  Bottom w0.2: v1(91.07,63.28) 90.93,63.42 v1(90.93,68.1)
PL: length 65
  Top w0.2: GKBS1.3 32.89,100.87 36.7,104.68 54.23,104.68 FOBS1.2 56.98,104.64 72.31,104.64 v1(73.41,103.54)
  Bottom w0.2: FEAS1.10 73.41,118.78 v1(73.41,103.54)
PR: length 63.7
  Top w0.2: GKBS1.1 31.75,107.47 54.1,107.47 55.63,105.95 FOBS1.1 57.02,107.22 v1(70.87,107.22)
  Bottom w0.2: v1(70.87,107.22) 70.87,121.32 FEAS1.12
SD: length 148.1
  Top w0.2: v1(169.55,55.53) 170.56,56.55 170.56,56.8 181.36,56.8 BQCU1.13 ; v1(167.13,44.61) 165.86,43.34 158.24,43.34 156.34,45.24 141.86,45.24 139.7,43.08 64.9,43.08 v1(64.52,42.7)
  Bottom w0.2: v1(169.55,55.53) 168.53,54.51 168.53,46.77 168.66,46.64 168.66,46.26 167.13,44.73 v1(167.13,44.61) ; FODW1.9 64.52,28.6 64.52,31.16 FODW1.11 64.52,33.68 v1(64.52,42.7)
SE1: length 33.6
  Bottom w0.2: BQDW1.1 176.15,41.94 176.15,64.53 BQCU1.19
SE2: length 38.6
  Bottom w0.2: BQCU1.18 177.42,63.26 177.42,35.59 BQDW1.4
SE3: length 42.9
  Top w0.2: v1(180.09,27.59) 180.34,27.84 182.37,27.84
  Bottom w0.2: BQCU1.17 178.56,61.86 178.56,29.11 v1(180.09,27.59)
SE4: length 29
  Bottom w0.2: BQCU1.16 180.98,61.74 180.98,36.86 BQDW1.12
SRA: length 268.8
  Top w0.2: EIAS1.1 98.81,136.43 100.08,135.16 117.6,135.16 DMAS1.1 119.97,135.33 134.03,135.33 v1(135.38,136.68) ; DCCU1.10 136.78,63.15 v1(136.78,63.15) ; X4.a5 37.06,14.28 37.08,14.25 41.4,18.57 50.29,18.57 51.44,17.43 104.52,17.43 110.11,23.02 134.62,23.02 v1(136.78,25.18)